# KiCad board GPDI_ULX3S_panel.kicad_pcb (continued)
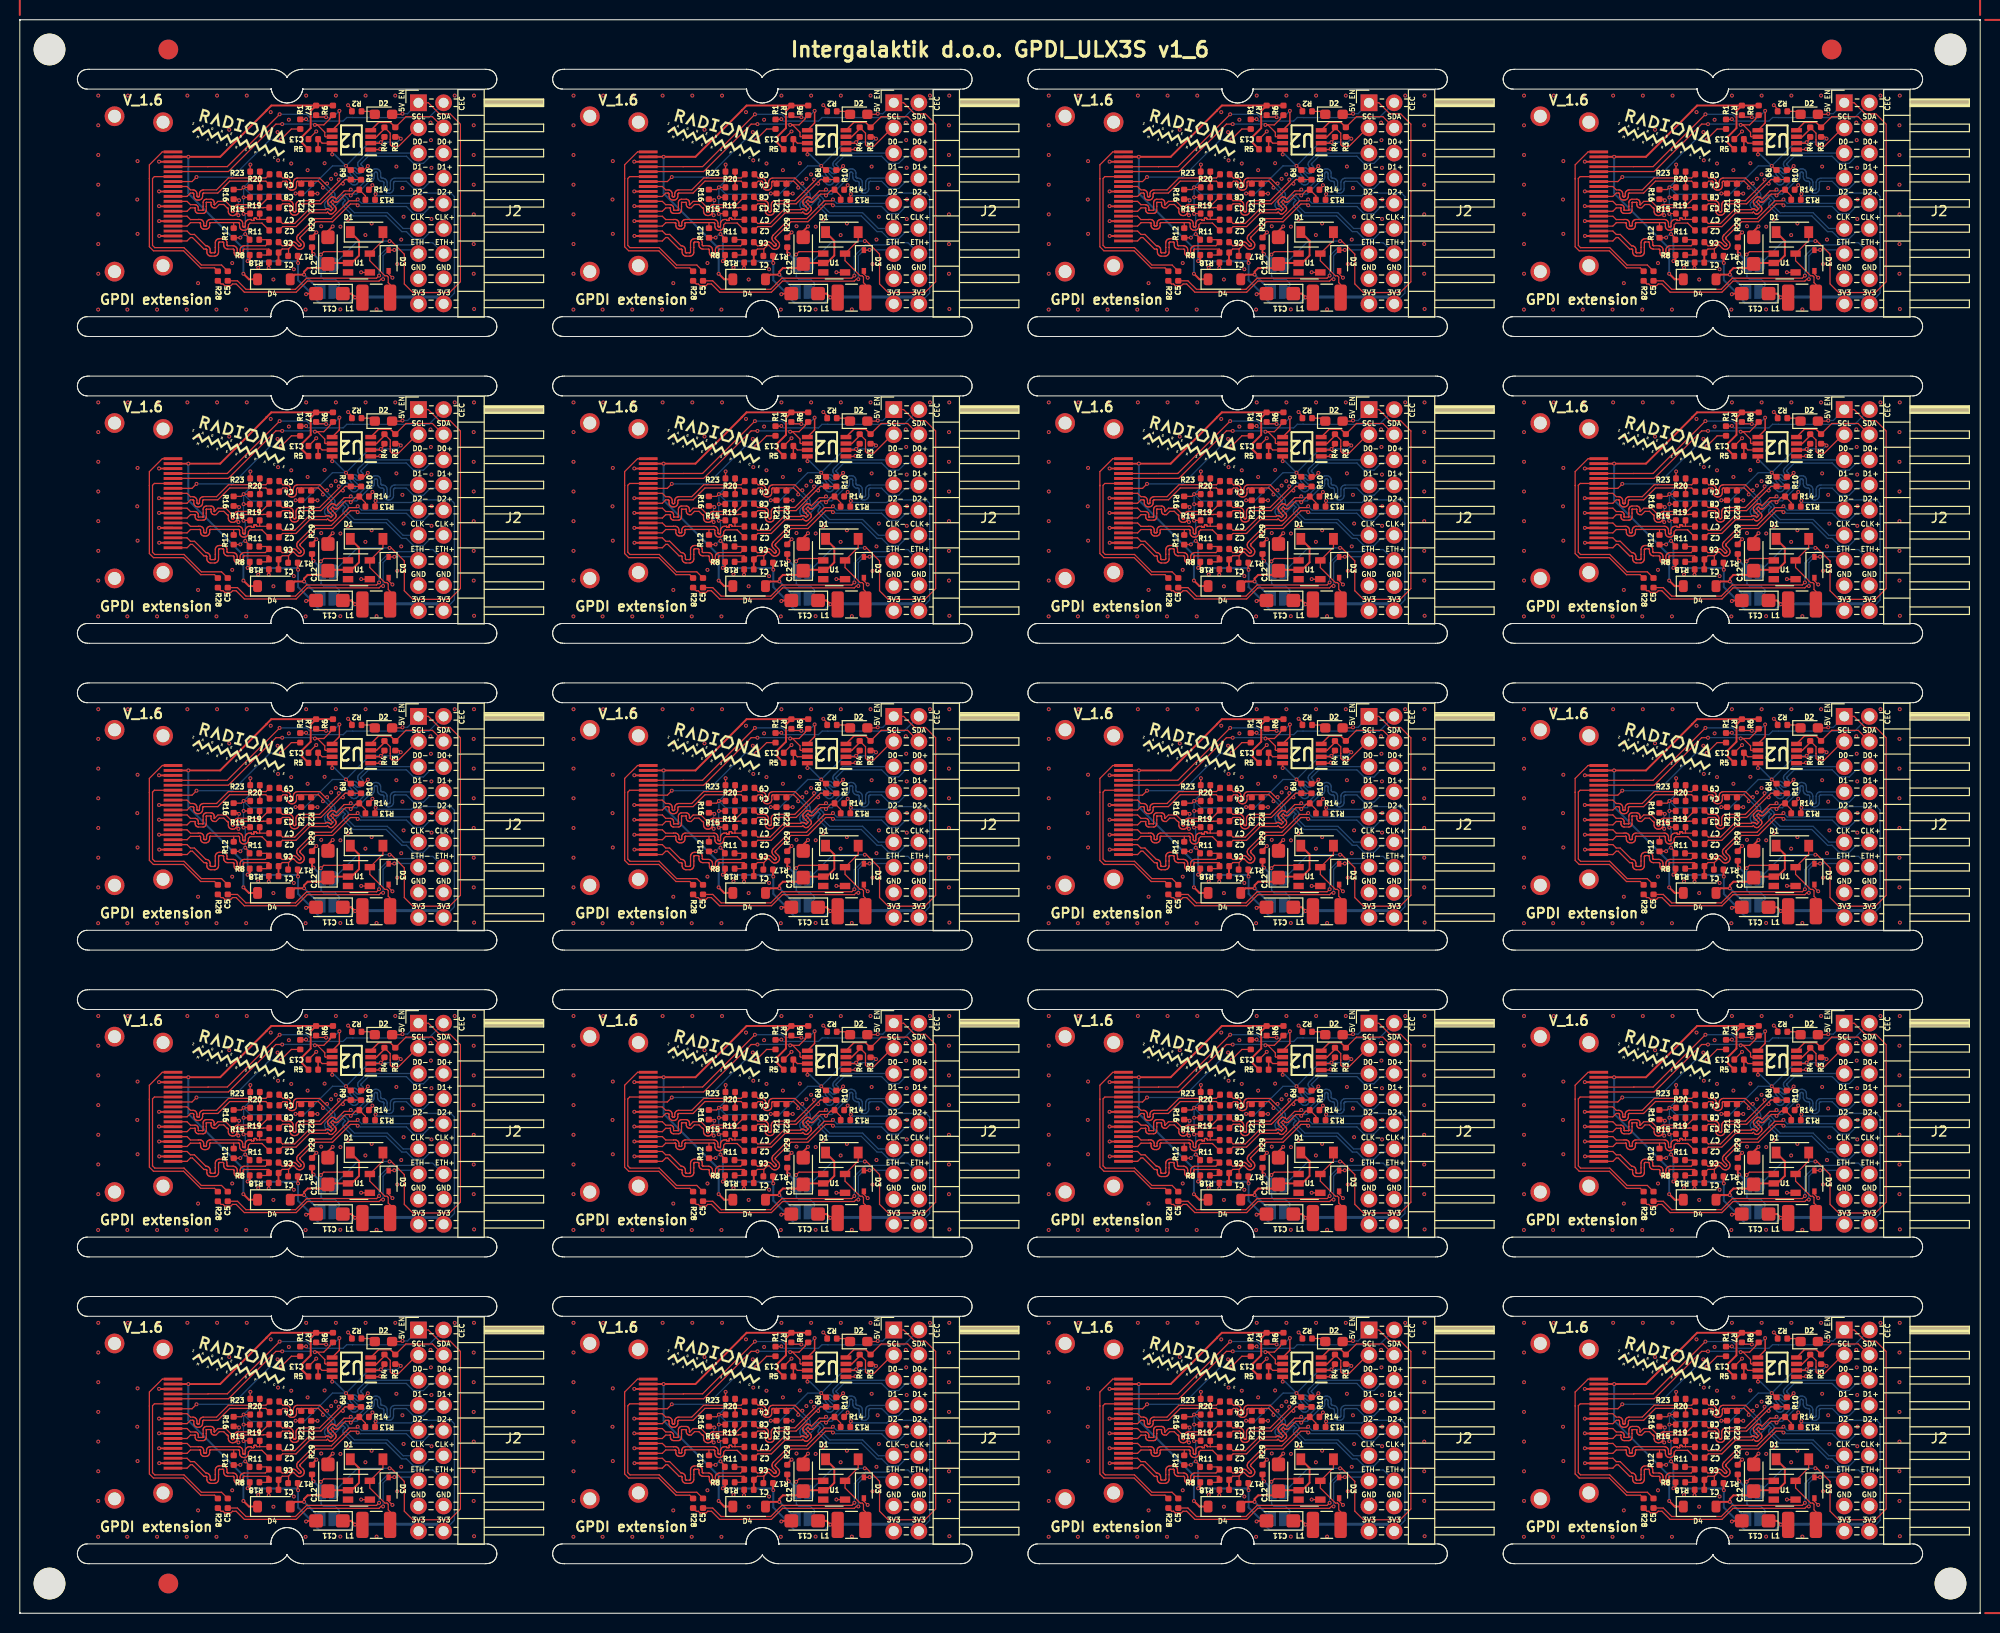
[diagram p0: board, top side]
## Routing (per net, layer and track width the routed paths; a pad name or vN(x,y) marks a point on that pad's centre or on a via; arc(x,y) is an arc through that point) (continued)
Board_2-+3V3: length 87.4
  Top w0.127: R15#5.1 118.62,141.42 v1(118.59,141.39) ; v1(118.27,138.99) 118.26,138.97 R12#10.1 ; v1(132.47,148.63) 132.82,148.99 R4#7.1 ; v1(119.29,146.37) 119.27,146.35 R23#6.1 ; R19#5.1 v1(118.6,143.06) ; v1(129.86,132.95) 129.88,132.93 L1#16.1 ; v1(134.47,148.99) 134.3,149.16 R3#11.1 ; R11#13.1 119.21,138.91 v1(118.77,139.35) ; R9#11.1 129.36,145.82 v1(128.94,146.24) ; R20#17.1 v1(118.6,144.07) 118.38,143.85 R16#19.1 ; R13.1 131.88,143.33 v1(131.93,143.38) ; v1(123.85,143.45) R21#14.1
  Top w0.15: v1(127.55,147.4) 127.54,147.41 U2#12.8 ; U2#12.2 132.37,148.53 v1(132.47,148.63)
  Top w0.2: v1(129.86,132.95) 129.48,133.33 C11#13.1 ; v1(119.01,136.62) 119.23,136.84 R8#9.1 ; R17#10.1 124.07,136.46 v1(124.1,136.43)
  Bottom w0.127: v1(118.6,144.07) 119.29,144.75 v1(119.29,146.37) ; v1(118.6,144.07) 119.3,143.37 123.77,143.37 v1(123.85,143.45) 124.79,143.45 127.58,146.24 v1(128.94,146.24) 131.34,148.63 v1(132.47,148.63) 134.12,148.63 v1(134.47,148.99) ; v1(118.6,144.07) v1(118.6,143.06) 118.59,143.05 v1(118.59,141.39) 118.77,141.22 v1(118.77,139.35) 118.63,139.35 v1(118.27,138.99) ; v1(131.93,143.38) 132.08,143.23 135.56,143.23 135.83,143.5 139.54,143.5 139.89,143.14 139.89,133.38 J2#19.18
  Bottom w0.15: v1(127.55,147.4) 127.78,147.4 v1(128.94,146.24)
  Bottom w0.2: v1(118.77,139.35) 119.01,139.11 v1(119.01,136.62) 119.03,136.6 123.93,136.6 v1(124.1,136.43) 124.1,134.68 125.65,133.14 125.65,133 126.24,132.41 129.32,132.41 v1(129.86,132.95)
  Bottom w0.3: J2#19.18 138.11,132.99 129.9,132.99 v1(129.86,132.95)
Board_2-+5V: length 39.3
  Top w0.2: v1(118.58,135.34) 119.14,134.78 D4#2.1 ; R7#3.1 121.4,152.34 120.92,151.85 120.92,151.83 116.24,147.15 v1(113.02,147.15) P1#2.18 ; R7#3.1 125.38,151.79 125.38,150.06 124.53,149.2 124.53,148.55 R5#8.1 ; R7#3.1 R6#5.1
  Bottom w0.2: v1(118.58,135.34) 118.58,137.9 113.02,143.46 v1(113.02,147.15)
Board_2-/CEC: length 15.1
  Top w0.127: v1(113.85,145.11) 113.39,144.65 P1#2.13 ; R1#9.1 123.43,149.97 v1(122.37,148.91)
  Bottom w0.127: v1(122.37,148.91) 121.28,148.91 117.47,145.11 v1(113.85,145.11)
Board_2-/CLK+: length 12.1
  Top w0.127: C4#12.2 120.85,144.7 117.2,144.7 116,143.5 114.58,143.5 114.55,143.49 114.53,143.48 114.51,143.47 114.49,143.45 114.48,143.43 114.47,143.4 114.46,143.38 114.46,143.19 114.45,143.1 114.42,143.02 114.37,142.94 114.31,142.87 114.23,142.82 114.14,142.79 114.05,142.78 113.98,142.78 113.89,142.79 113.8,142.82 113.73,142.87 113.66,142.94 113.61,143.02 113.58,143.1 113.57,143.19 113.57,143.38 113.57,143.4 113.56,143.43 113.55,143.45 113.53,143.47 113.51,143.48 113.48,143.49 113.45,143.5 113.24,143.5 112.89,143.15 P1#2.10
  Top w0.15: R20#17.2 120.24,144.66
Board_2-/CLK-: length 12.2
  Top w0.127: 120.26,145.02 117.07,145.02 115.87,143.81 114.56,143.81 114.46,143.8 114.38,143.77 114.3,143.72 114.23,143.66 114.19,143.58 114.15,143.49 114.14,143.4 114.14,143.22 114.14,143.19 114.13,143.17 114.12,143.15 114.1,143.13 114.08,143.11 114.05,143.1 114.03,143.1 114.01,143.1 113.98,143.1 113.96,143.11 113.93,143.13 113.92,143.15 113.9,143.17 113.89,143.19 113.89,143.22 113.89,143.4 113.88,143.49 113.85,143.58 113.8,143.66 113.74,143.72 113.66,143.77 113.57,143.8 113.48,143.81 113.24,143.81 112.89,144.15 P1#2.12 ; 120.26,145.02 120.24,145.03 R23#6.2 ; 120.26,145.02 120.85,145.02 C9#4.2
Board_2-/D0+: length 15.7
  Top w0.127: P1#2.7 112.89,141.65 113.24,142 113.67,142 113.68,141.99 113.69,141.99 113.7,141.99 113.7,141.98 113.71,141.97 113.71,141.97 113.71,141.96 113.71,141.78 113.72,141.7 113.75,141.63 113.79,141.57 113.84,141.51 113.9,141.47 113.97,141.45 114.05,141.44 114.49,141.44 114.57,141.45 114.64,141.47 114.7,141.51 114.76,141.57 114.8,141.63 114.82,141.7 114.83,141.78 114.83,142.15 114.83,142.51 114.83,142.52 114.84,142.53 114.84,142.54 114.85,142.54 114.85,142.55 114.86,142.55 114.87,142.55 115.27,142.55 115.28,142.55 115.29,142.55 115.3,142.54 115.3,142.54 115.31,142.53 115.31,142.52 115.31,142.51 115.31,142.33 115.32,142.26 115.35,142.19 115.39,142.12 115.44,142.07 115.5,142.03 115.58,142 115.65,142 115.8,142 116.14,142.34 116.6,142.34 116.93,142.01 116.96,142 116.99,141.99 117.01,141.98 117.03,141.96 117.04,141.93 117.05,141.91 117.06,141.88 117.06,141.64 117.07,141.55 117.1,141.46 117.15,141.38 117.22,141.31 117.3,141.26 117.38,141.23 117.48,141.22 117.53,141.22 117.62,141.23 117.71,141.26 117.79,141.31 117.86,141.38 ; R16#19.2 118.03,142.88 v1(118.15,142.76) ; 117.86,141.38 117.95,141.38 v1(118.08,141.25) ; 117.86,141.38 117.91,141.46 117.94,141.55 117.95,141.64 117.95,141.88 117.95,141.91 117.96,141.93 117.98,141.96 118,141.98 118.02,141.99 118.05,142 118.08,142.01 118.15,142.01 118.18,142 118.2,141.99 118.23,141.98 118.25,141.96 118.26,141.93 118.27,141.91 118.28,141.88 118.28,141.87 118.28,141.84 118.29,141.82 118.3,141.79 118.32,141.77 118.35,141.76 118.37,141.75 118.4,141.75 118.43,141.75 118.46,141.76 118.48,141.77 118.5,141.79 118.52,141.82 118.53,141.84 118.53,141.87 118.53,141.88 118.53,141.91 118.54,141.93 118.56,141.96 118.58,141.98 118.6,141.99 118.63,142 118.66,142.01 120.57,142.01 120.59,142.03 C3#11.2
  Bottom w0.127: v1(118.15,142.76) 118.08,142.7 v1(118.08,141.25)
Board_2-/D0-: length 14.1
  Top w0.127: P1#2.9 112.89,142.65 113.24,142.31 113.69,142.31 113.77,142.31 113.84,142.28 113.9,142.24 113.96,142.19 114,142.12 114.02,142.05 114.03,141.98 114.03,141.8 114.03,141.79 114.03,141.78 114.04,141.77 114.05,141.77 114.05,141.76 114.06,141.76 114.07,141.76 114.47,141.76 114.48,141.76 114.49,141.76 114.5,141.77 114.5,141.77 114.51,141.78 114.51,141.79 114.51,141.8 114.51,142.15 114.51,142.15 114.51,142.53 114.52,142.61 114.55,142.68 114.59,142.74 114.64,142.8 114.7,142.84 114.78,142.86 114.85,142.87 115.29,142.87 115.37,142.86 115.44,142.84 115.51,142.8 115.56,142.74 115.6,142.68 115.62,142.61 115.63,142.53 115.63,142.35 115.63,142.34 115.64,142.34 115.64,142.33 115.65,142.32 115.65,142.32 115.66,142.32 115.67,142.31 116.01,142.65 116.8,142.65 117.28,142.17 117.33,142.09 117.37,142 117.38,141.91 117.38,141.67 117.38,141.64 117.39,141.61 117.4,141.59 117.42,141.57 117.45,141.55 117.48,141.54 117.5,141.54 117.53,141.54 117.56,141.55 117.58,141.57 117.6,141.59 117.62,141.61 117.63,141.64 117.63,141.67 117.63,141.91 117.64,142 117.67,142.09 117.72,142.17 117.79,142.23 117.87,142.28 117.96,142.31 118.05,142.33 120.39,142.33 C8#19.2 121.13,143.06
  Top w0.15: 120.2,142.33 120.22,142.34 R19#5.2
Board_2-/D1+: length 12.6
  Top w0.127: P1#2.4 112.89,140.15 113.24,140.5 114.15,140.5 114.16,140.51 114.18,140.5 114.2,140.5 114.22,140.49 114.24,140.47 114.25,140.45 114.25,140.43 114.26,140.41 114.26,140.23 114.27,140.14 114.29,140.06 114.34,139.99 114.4,139.93 114.48,139.88 114.56,139.85 114.64,139.84 114.79,139.84 114.87,139.85 114.95,139.88 115.03,139.93 115.09,139.99 115.14,140.06 115.16,140.14 115.17,140.23 115.17,140.41 115.18,140.43 115.18,140.45 115.19,140.47 115.21,140.49 115.23,140.5 115.25,140.5 115.27,140.51 118.07,140.51 118.1,140.5 118.13,140.49 118.15,140.48 118.17,140.46 118.18,140.43 118.19,140.41 118.2,140.38 118.2,140.15 118.21,140.05 118.24,139.97 118.29,139.89 118.36,139.82 118.44,139.77 118.52,139.74 118.62,139.73 118.67,139.73 118.76,139.74 118.85,139.77 118.93,139.82 119,139.89 119.05,139.97 119.08,140.05 119.09,140.15 119.09,140.29 119.26,140.46 120.45,140.46 C2#16.2 ; R12#10.2 117.6,140.49
Board_2-/D1-: length 12.8
  Top w0.127: C7#16.2 121.16,140.83 120.23,140.83 ; P1#2.6 112.89,141.15 113.24,140.81 114.02,140.81 114.03,140.83 114.19,140.83 114.27,140.82 114.35,140.79 114.43,140.74 114.49,140.68 114.54,140.61 114.56,140.52 114.57,140.44 114.57,140.25 114.58,140.23 114.58,140.21 114.59,140.2 114.61,140.18 114.63,140.17 114.65,140.16 114.67,140.16 114.76,140.16 114.78,140.16 114.8,140.17 114.82,140.18 114.84,140.2 114.85,140.21 114.85,140.23 114.86,140.25 114.86,140.44 114.87,140.52 114.89,140.61 114.94,140.68 115,140.74 115.08,140.79 115.16,140.82 115.24,140.83 118.1,140.83 118.19,140.81 118.28,140.78 118.36,140.73 118.42,140.67 118.47,140.59 118.51,140.5 118.52,140.41 118.52,140.17 118.52,140.15 118.53,140.12 118.54,140.09 118.56,140.07 118.59,140.06 118.62,140.05 118.64,140.05 118.67,140.05 118.7,140.06 118.72,140.07 118.74,140.09 118.76,140.12 118.77,140.15 118.77,140.17 118.77,140.41 118.78,140.5 118.81,140.59 118.86,140.67 118.93,140.73 119.01,140.78 119.1,140.81 119.19,140.83 119.34,140.83 119.35,140.82 119.36,140.82 119.37,140.81 119.38,140.81 119.38,140.8 119.39,140.79 119.39,140.76 119.39,140.75 119.4,140.74 119.41,140.74 119.42,140.73 119.43,140.73 119.44,140.73 119.59,140.73 119.6,140.73 119.61,140.73 119.62,140.74 119.63,140.74 119.64,140.75 119.64,140.76 119.64,140.78 119.64,140.9 119.65,140.91 119.65,140.93 119.66,140.94 119.67,140.96 119.68,140.96 119.7,140.97 119.72,140.97 119.82,140.97 119.84,140.97 119.86,140.96 119.87,140.96 119.88,140.94 119.89,140.93 119.9,140.91 119.9,140.88 119.9,140.87 119.91,140.85 119.92,140.84 119.94,140.83 119.95,140.83 119.97,140.83 120.23,140.83 ; 120.23,140.83 R15#5.2
Board_2-/D2+: length 15
  Top w0.127: R8#9.2 120.92,137.23 C1#10.2 121.17,137.8 121.14,137.83 118.65,137.83 118.62,137.82 118.6,137.79 118.58,137.77 118.57,137.74 118.57,137.71 118.57,137.5 118.56,137.4 118.52,137.31 118.47,137.23 118.4,137.16 118.32,137.1 118.23,137.07 118.13,137.06 118.08,137.06 117.98,137.07 117.89,137.1 117.81,137.16 117.74,137.23 117.69,137.31 117.66,137.4 117.64,137.5 117.64,137.71 117.64,137.74 117.63,137.77 117.61,137.79 117.59,137.82 117.56,137.83 117.01,137.83 116.91,137.84 116.83,137.88 116.75,137.92 116.68,137.99 116.63,138.07 116.6,138.16 116.59,138.25 116.59,138.44 116.59,138.47 116.58,138.49 116.57,138.51 116.55,138.53 116.53,138.54 116.51,138.55 116.48,138.55 116.18,138.55 116.16,138.55 116.14,138.54 116.11,138.53 116.1,138.51 116.09,138.49 116.08,138.47 116.07,138.44 116.07,138 116.07,138 116.07,137.53 116.06,137.44 116.03,137.35 115.98,137.27 115.92,137.21 115.84,137.16 115.75,137.13 115.66,137.12 115.31,137.12 115.21,137.13 115.13,137.16 115.05,137.21 114.98,137.27 114.93,137.35 114.9,137.44 114.89,137.53 114.89,137.73 114.89,137.75 114.88,137.77 114.87,137.79 114.85,137.81 114.83,137.82 114.81,137.83 114.78,137.83 114.6,137.83 113.43,139 113.24,139 112.89,138.65 P1#2.1
Board_2-/D2-: length 14.8
  Top w0.127: R11#13.2 120.91,138.78 C6#17.2 120.8,138.17 118.68,138.17 118.59,138.16 118.49,138.12 118.41,138.07 118.34,138 118.29,137.92 118.26,137.83 118.25,137.73 118.25,137.52 118.24,137.49 118.23,137.46 118.22,137.43 118.19,137.41 118.17,137.39 118.14,137.38 118.11,137.38 118.07,137.38 118.04,137.39 118.02,137.41 117.99,137.43 117.98,137.46 117.97,137.49 117.96,137.52 117.96,137.73 117.95,137.83 117.92,137.92 117.87,138 117.8,138.07 117.72,138.12 117.63,138.16 117.53,138.17 117.03,138.17 117.01,138.17 116.99,138.18 116.96,138.19 116.95,138.21 116.94,138.23 116.93,138.25 116.92,138.27 116.92,138.47 116.91,138.56 116.88,138.65 116.83,138.73 116.77,138.79 116.69,138.84 116.6,138.87 116.51,138.88 116.16,138.88 116.06,138.87 115.98,138.84 115.9,138.79 115.83,138.73 115.78,138.65 115.75,138.56 115.74,138.47 115.74,138 115.74,137.56 115.74,137.54 115.73,137.51 115.72,137.49 115.7,137.48 115.68,137.46 115.66,137.45 115.63,137.45 115.33,137.45 115.31,137.45 115.28,137.46 115.26,137.48 115.25,137.49 115.23,137.51 115.23,137.54 115.22,137.56 115.22,137.75 115.21,137.84 115.18,137.93 115.13,138.01 115.07,138.08 114.99,138.13 114.9,138.16 114.81,138.17 114.78,138.17 113.63,139.31 113.24,139.31 112.89,139.65 P1#2.3
Board_2-/ETH+: length 17.6
  Top w0.127: C5#9.2 116.38,136.22 114.34,136.22 112.58,137.98 109.63,137.98 109.4,138.2 109.4,144.97 109.59,145.15 P1#2.14
Board_2-/ETH-: length 19.2
  Top w0.127: 109.09,144.93 109.09,138.07 109.5,137.66 112.54,137.66 114.27,135.93 115.67,135.93 R28#13.1 ; 109.09,144.93 109.09,146.35 110.39,147.65 P1#2.19 ; 109.09,144.93 109.09,144.97
Board_2-GND: length 17.5
  Top w0.127: U1#6.4 130.49,135.47 v1(130.47,135.49) ; R14#6.2 131.61,144.19 v1(131.61,144.29) ; C13#15.2 125.94,149.72 v1(125.94,149.72) ; v1(133.63,134.94) 133.25,135.32 D3#14.2 ; v1(126.07,143.44) 126.07,143.44 R22#16.2 ; v1(129.15,152.37) 129.54,151.98 R2#10.2 ; R10#14.2 130.75,145.82 v1(131.15,146.22)
  Top w0.15: U2#12.1 132.35,147.88 v1(132.4,147.94)
  Top w0.2: v1(110.06,143.66) 110.07,143.65 P1#2.11 ; v1(110.06,142.18) 110.08,142.15 P1#2.8 ; C11#13.2 124.97,133.33 v1(124.91,133.27) ; R29#4.2 125.51,139.08 v1(125.95,139.52) ; v1(110.08,139.16) 110.08,139.15 P1#2.2 ; C12#12.2 127.12,139.64 v1(127.6,140.12) ; v1(110.06,146.67) 110.07,146.65 P1#2.17 ; v1(110.07,140.66) 110.08,140.65 P1#2.5 ; R18#9.2 121.16,135.94 v1(121.14,135.93)
  In1.Cu w0.5: 136.38,134.72 J2#19.15
  vias: v1(103.92,153.34) v1(103.92,150.34) v1(103.92,147.34) v1(103.92,144.34) v1(103.92,141.34) v1(103.92,138.34) v1(103.92,135.34) v1(103.91,131.72) v1(106.92,153.34) v1(106.86,131.72) v1(107.89,146.72) v1(107.86,142.84) v1(107.89,139.37) v1(109.92,153.34) v1(109.86,131.72) v1(112.92,153.34) v1(112.86,131.72) v1(114.02,149.97) v1(114,134.39) v1(115.92,153.34) v1(115.86,131.72) v1(117.15,149.89) v1(117.45,136.42) v1(118.92,153.34) v1(118.86,131.72) v1(120.08,135.94) v1(121.34,151.67) v1(121.61,134.76) v1(122.03,149.65) v1(122.08,146.8) v1(123.17,150.9) v1(123.41,146.48) v1(123.68,135.79) v1(124.92,153.34) v1(124.86,131.72) v1(125.07,145.81) v1(126.44,140.14) v1(126.78,146.51) v1(127.44,144.93) v1(127.92,153.34) v1(127.91,145.38) v1(128.38,140.1) v1(128.37,131.74) v1(129.14,140.81) v1(130.92,153.34) v1(130.9,139.25) v1(131.53,140.42) v1(132.03,131.74) v1(133.92,153.34) v1(134.03,146.17) v1(134.12,136.32) v1(134.52,138.79) v1(134.64,144) v1(134.76,141.1) v1(137.48,150.61) v1(137.52,148.84) v1(137.57,146.05) v1(137.6,142.85) v1(137.58,140.87) v1(139.92,153.34) v1(141.84,150.34) v1(141.84,147.34) v1(141.84,144.34) v1(141.84,141.34) v1(141.84,138.34) v1(141.84,135.34) v1(141.87,153.34) v1(141.88,131.78)
Board_2-GPDI_CEC: length 15.3
  Top w0.127: v1(124.91,150.96) 124.89,150.94 R1#9.2
  Bottom w0.127: v1(124.91,150.96) 125.1,150.77 128.66,150.77 129.02,151.13 129.6,151.13 129.61,151.12 137.31,151.12 J2#19.2
Board_2-GPDI_CLK+: length 24.8
  Top w0.127: C4#12.1 122.57,144.69 122.89,144.69 122.92,144.69 122.95,144.68 122.97,144.66 123,144.64 123.01,144.61 123.02,144.58 123.03,144.55 123.03,144.22 123.04,144.12 123.07,144.03 123.12,143.95 123.19,143.88 123.27,143.83 123.36,143.8 123.46,143.79 123.51,143.79 123.61,143.8 123.7,143.83 123.78,143.88 123.85,143.95 123.9,144.03 123.94,144.12 123.95,144.22 123.95,144.55 123.95,144.58 123.96,144.61 123.98,144.64 124,144.66 124.03,144.68 124.06,144.69 124.09,144.69 124.44,144.69 ; 124.44,144.69 125.43,144.69 ; 124.44,144.69 124.42,144.67 R21#14.2 ; 125.43,144.69 126.16,144.69 126.62,144.23 v1(126.62,144.04) ; 125.43,144.69 R22#16.1
  Bottom w0.127: J2#19.12 138.48,139.6 137.48,139.6 136.76,138.87 135.76,138.87 135.04,139.6 134.58,139.6 132.99,141.19 129.66,141.19 128.73,142.12 128.68,142.18 128.65,142.25 128.63,142.32 128.63,142.39 128.65,142.47 128.68,142.53 128.73,142.59 128.85,142.72 128.86,142.72 128.86,142.73 128.86,142.74 128.86,142.75 128.86,142.75 128.86,142.76 128.85,142.77 128.67,142.95 128.66,142.96 128.65,142.96 128.65,142.96 128.64,142.96 128.63,142.96 128.63,142.96 128.62,142.95 127.59,141.93 127.51,141.86 127.42,141.82 127.32,141.8 127.22,141.8 127.12,141.82 127.03,141.86 126.95,141.93 126.91,141.97 126.85,142.05 126.8,142.14 126.78,142.24 126.78,142.34 126.8,142.44 126.85,142.53 126.91,142.61 127.46,143.16 127.48,143.19 127.49,143.22 127.5,143.26 127.5,143.29 127.49,143.33 127.48,143.36 127.46,143.39 126.81,144.04 v1(126.62,144.04)
Board_2-GPDI_CLK-: length 21
  Top w0.127: C9#4.1 122.57,145.01 122.91,145.01 123.01,145 123.1,144.97 123.18,144.92 123.25,144.85 123.3,144.77 123.34,144.68 123.35,144.58 123.35,144.25 123.35,144.21 123.36,144.18 123.38,144.16 123.4,144.14 123.43,144.12 123.46,144.11 123.49,144.1 123.52,144.11 123.55,144.12 123.57,144.14 123.6,144.16 123.61,144.18 123.62,144.21 123.63,144.25 123.63,144.58 123.64,144.68 123.67,144.77 123.72,144.85 123.79,144.92 123.87,144.97 123.96,145 124.06,145.01 126.29,145.01 126.84,144.46 v1(127.03,144.46)
  Bottom w0.127: J2#19.11 134.71,139.91 133.12,141.51 129.79,141.51 128.97,142.33 128.96,142.34 128.96,142.35 128.96,142.35 128.96,142.36 128.96,142.37 128.96,142.37 128.97,142.38 129.09,142.51 129.14,142.57 129.17,142.63 129.19,142.71 129.19,142.78 129.17,142.85 129.14,142.92 129.09,142.98 128.88,143.19 128.82,143.24 128.75,143.27 128.68,143.29 128.61,143.29 128.53,143.27 128.47,143.24 128.41,143.19 127.39,142.17 127.36,142.15 127.33,142.13 127.29,142.13 127.25,142.13 127.22,142.13 127.18,142.15 127.15,142.17 127.13,142.2 127.12,142.24 127.11,142.27 127.11,142.31 127.12,142.34 127.13,142.38 127.15,142.41 127.7,142.95 127.76,143.03 127.81,143.13 127.83,143.23 127.83,143.33 127.81,143.43 127.76,143.52 127.7,143.6 127.03,144.27 v1(127.03,144.46)
Board_2-GPDI_D0+: length 26.3
  Top w0.127: C3#11.1 122.53,142.4 123.15,142.4 123.18,142.4 123.21,142.39 123.24,142.37 123.26,142.35 123.28,142.32 123.29,142.29 123.29,142.26 123.29,141.69 123.3,141.59 123.34,141.5 123.39,141.42 123.46,141.35 123.54,141.3 123.63,141.27 123.73,141.26 123.78,141.26 123.88,141.27 123.97,141.3 124.05,141.35 124.12,141.42 124.17,141.5 124.2,141.59 124.21,141.69 124.21,142.26 124.22,142.29 124.23,142.32 124.24,142.35 124.26,142.37 124.29,142.39 124.32,142.4 124.35,142.4 126.4,142.4 128.44,144.44 v1(128.63,144.44) 128.63,144.63 128.86,144.85 R9#11.2 130.46,144.85 R10#14.1
  Bottom w0.127: v1(128.63,144.44) 128.63,144.63 128.85,144.85 128.87,144.87 128.9,144.88 128.93,144.89 128.96,144.89 128.99,144.88 129.02,144.87 129.05,144.85 129.46,144.43 129.54,144.37 129.62,144.33 129.72,144.31 129.82,144.31 129.91,144.33 130,144.37 130.07,144.43 130.11,144.47 130.17,144.55 130.21,144.63 130.24,144.73 130.24,144.83 130.21,144.92 130.17,145.01 130.11,145.08 129.7,145.5 129.68,145.52 129.66,145.55 129.66,145.58 129.66,145.61 129.66,145.64 129.68,145.67 129.7,145.7 129.71,145.71 129.73,145.72 129.75,145.72 129.77,145.72 129.79,145.72 129.81,145.71 129.82,145.7 129.95,145.57 130.02,145.51 130.1,145.48 130.18,145.46 130.27,145.46 130.35,145.48 130.43,145.51 130.5,145.57 130.6,145.67 130.66,145.74 130.7,145.82 130.71,145.9 130.71,145.99 130.7,146.07 130.66,146.15 130.6,146.22 130.47,146.35 130.46,146.36 130.45,146.38 130.45,146.4 130.45,146.42 130.45,146.44 130.46,146.46 130.47,146.47 131.22,147.22 135.04,147.22 135.76,146.49 136.76,146.49 137.48,147.22 138.48,147.22 J2#19.6
Board_2-GPDI_D0-: length 20.9
  Top w0.127: v1(128.22,144.86) 128.22,144.67 126.27,142.72 124.33,142.72 124.23,142.71 124.14,142.68 124.06,142.63 123.99,142.56 123.94,142.48 123.9,142.39 123.89,142.29 123.89,141.72 123.89,141.69 123.88,141.66 123.86,141.63 123.84,141.61 123.81,141.59 123.78,141.58 123.75,141.58 123.72,141.58 123.69,141.59 123.66,141.61 123.64,141.63 123.63,141.66 123.62,141.69 123.61,141.72 123.61,142.29 123.6,142.39 123.57,142.48 123.52,142.56 123.45,142.63 123.37,142.68 123.28,142.71 123.18,142.72 122.53,142.72 C8#19.1
  Bottom w0.127: J2#19.5 131.08,147.53 130.23,146.68 130.18,146.62 130.14,146.54 130.12,146.45 130.12,146.37 130.14,146.28 130.18,146.21 130.23,146.14 130.36,146.01 130.37,145.99 130.38,145.97 130.39,145.95 130.39,145.93 130.38,145.91 130.37,145.9 130.36,145.88 130.29,145.81 130.28,145.8 130.26,145.79 130.24,145.78 130.22,145.78 130.2,145.79 130.18,145.8 130.16,145.81 130.03,145.94 129.97,145.99 129.89,146.03 129.8,146.05 129.72,146.05 129.63,146.03 129.56,145.99 129.49,145.94 129.45,145.9 129.39,145.83 129.35,145.74 129.33,145.65 129.33,145.55 129.35,145.45 129.39,145.37 129.45,145.29 129.87,144.88 129.89,144.85 129.9,144.82 129.91,144.79 129.91,144.76 129.9,144.73 129.89,144.7 129.87,144.68 129.84,144.66 129.81,144.64 129.78,144.64 129.75,144.64 129.72,144.64 129.69,144.66 129.67,144.68 129.25,145.09 129.18,145.15 129.09,145.19 129,145.22 128.9,145.22 128.8,145.19 128.72,145.15 128.64,145.09 128.41,144.86 v1(128.22,144.86)
Board_2-GPDI_D1+: length 26.6
  Top w0.127: R13.2 130.91,143.21 R14#6.1 130.19,143.74 129.91,143.74 v1(129.42,143.25) 129.29,143.39 128.89,143.39 128.16,142.66 128.1,142.61 128.04,142.59 127.98,142.57 127.91,142.57 127.85,142.59 127.79,142.61 127.73,142.66 127.61,142.78 127.41,142.58 127.63,142.36 127.62,142.35 127.86,142.11 127.9,142.06 127.93,141.99 127.95,141.93 127.95,141.86 127.93,141.8 127.9,141.74 127.86,141.68 127.63,141.46 127.58,141.42 127.52,141.39 127.46,141.37 127.39,141.37 127.32,141.39 127.26,141.42 127.21,141.46 127.08,141.58 126.99,141.49 125.29,141.49 123.9,140.1 122.54,140.1 C2#16.1
  Bottom w0.127: v1(129.42,143.25) 129.56,143.39 130.03,143.39 131.31,144.68 131.34,144.68 131.44,144.69 131.54,144.72 131.62,144.78 131.7,144.85 131.75,144.93 131.78,145.03 131.8,145.13 131.8,145.45 131.8,145.49 131.81,145.53 131.83,145.56 131.86,145.58 131.89,145.6 131.92,145.62 131.96,145.62 132,145.62 132.03,145.6 132.06,145.58 132.09,145.56 132.11,145.53 132.12,145.49 132.13,145.45 132.13,145.13 132.14,145.03 132.17,144.93 132.23,144.85 132.3,144.78 132.38,144.72 132.48,144.69 132.58,144.68 132.61,144.68 132.65,144.67 132.68,144.66 132.71,144.64 132.74,144.61 132.76,144.58 132.77,144.55 132.78,144.51 132.78,143.94 132.79,143.84 132.82,143.74 132.88,143.65 132.95,143.58 133.03,143.53 133.13,143.49 133.23,143.48 133.29,143.48 133.39,143.49 133.49,143.53 133.57,143.58 133.65,143.65 133.7,143.74 133.73,143.84 133.75,143.94 133.75,144.51 133.75,144.55 133.76,144.58 133.78,144.61 133.81,144.64 133.84,144.66 133.87,144.67 133.91,144.68 135.04,144.68 135.76,143.95 136.76,143.95 137.48,144.68 138.48,144.68 J2#19.8
Board_2-GPDI_D1-: length 21
  Top w0.127: C7#16.1 122.54,140.42 123.77,140.42 125.16,141.81 126.86,141.81 126.87,141.82 126.92,141.86 126.98,141.89 127.05,141.91 127.12,141.91 127.18,141.89 127.24,141.86 127.3,141.82 127.42,141.7 127.62,141.9 127.4,142.12 127.41,142.13 127.17,142.37 127.13,142.42 127.1,142.48 127.08,142.55 127.08,142.62 127.1,142.68 127.13,142.74 127.17,142.79 127.39,143.02 127.45,143.06 127.51,143.09 127.57,143.11 127.64,143.11 127.71,143.09 127.77,143.06 127.82,143.02 127.94,142.89 128.76,143.71 129.29,143.71 v1(129.42,143.85)
  Bottom w0.127: J2#19.7 133.88,145 133.78,144.98 133.68,144.95 133.6,144.9 133.53,144.82 133.47,144.74 133.44,144.64 133.43,144.54 133.43,143.97 133.42,143.93 133.41,143.89 133.39,143.86 133.36,143.84 133.33,143.82 133.3,143.8 133.26,143.8 133.22,143.8 133.19,143.82 133.16,143.84 133.13,143.86 133.11,143.89 133.1,143.93 133.1,143.97 133.1,144.54 133.08,144.64 133.05,144.74 133,144.82 132.92,144.9 132.84,144.95 132.74,144.98 132.64,145 132.61,145 132.57,145 132.54,145.01 132.51,145.03 132.48,145.06 132.46,145.09 132.45,145.12 132.45,145.16 132.45,145.48 132.43,145.58 132.4,145.68 132.35,145.77 132.27,145.84 132.19,145.89 132.09,145.93 131.99,145.94 131.93,145.94 131.83,145.93 131.73,145.89 131.65,145.84 131.58,145.77 131.52,145.68 131.49,145.58 131.48,145.48 131.48,145.16 131.47,145.12 131.46,145.09 131.44,145.06 131.41,145.03 131.38,145.01 131.35,145 131.31,145 131.18,145 129.89,143.71 129.56,143.71 v1(129.42,143.85)
Board_2-GPDI_D2+: length 22.7
  Top w0.127: 123.14,137.84 122.5,137.84 C1#10.1 ; 123.14,137.84 123.49,138.19 123.51,138.21 123.54,138.22 123.57,138.23 123.6,138.23 123.63,138.22 123.66,138.21 123.69,138.19 123.96,137.92 124.03,137.86 124.12,137.82 124.21,137.79 124.31,137.79 124.4,137.82 124.49,137.86 124.57,137.92 124.6,137.96 124.67,138.03 124.71,138.12 124.73,138.21 124.73,138.31 124.71,138.41 124.67,138.49 124.6,138.57 124.34,138.84 124.32,138.86 124.3,138.89 124.3,138.92 124.3,138.95 124.3,138.98 124.32,139.01 124.34,139.04 125.89,140.59 127.59,140.59 129.39,142.39 129.99,142.39 v1(130.12,142.25) ; 123.14,137.84 123.14,137.19 R17#10.2
  Top w0.2: C1#10.1 122.13,137.47 R18#9.1
  Bottom w0.127: J2#19.10 138.48,142.14 137.48,142.14 136.76,141.41 135.76,141.41 135.04,142.14 130.38,142.14 130.27,142.25 v1(130.12,142.25)
Board_2-GPDI_D2-: length 17.8
  Top w0.127: C6#17.1 122.5,138.16 123.01,138.16 123.28,138.43 123.36,138.49 123.44,138.53 123.54,138.56 123.64,138.56 123.73,138.53 123.82,138.49 123.89,138.43 124.16,138.16 124.19,138.14 124.21,138.13 124.25,138.12 124.28,138.12 124.31,138.13 124.34,138.14 124.36,138.16 124.38,138.19 124.39,138.22 124.4,138.25 124.4,138.28 124.39,138.31 124.38,138.34 124.36,138.36 124.09,138.63 124.03,138.71 123.99,138.79 123.97,138.89 123.97,138.98 123.99,139.08 124.03,139.17 124.09,139.24 125.76,140.91 127.46,140.91 129.26,142.71 129.99,142.71 v1(130.12,142.85)
  Bottom w0.127: J2#19.9 130.52,142.45 v1(130.12,142.85)
Board_2-GPDI_ETH+: length 25.7
  Top w0.127: C5#9.1 117.98,134.62 118.84,133.77 123.84,133.77 124.97,134.89 132.03,134.89 v1(132.29,135.15)
  Bottom w0.127: J2#19.14 137.71,138.47 135.87,138.47 135.65,138.25 133.41,138.25 132.29,137.13 v1(132.29,135.15)
Board_2-GPDI_ETH-: length 24.8
  Top w0.127: D3#14.1 133.8,137.72 v1(133.82,137.75) ; v1(132.69,134.79) 132.48,134.79 132.29,134.6 125.03,134.6 123.91,133.48 118.68,133.48 117.85,134.31 117.48,134.31 117.31,134.14 116.69,134.14 116.52,134.31 116.32,134.31 R28#13.2
  Bottom w0.127: v1(132.69,134.79) 132.69,134.79 132.69,137.16 133.27,137.75 v1(133.82,137.75) 135.89,137.75 J2#19.13